# Altium PCB DCAC_V2b.PcbDoc (part 3 of 7) (continued)
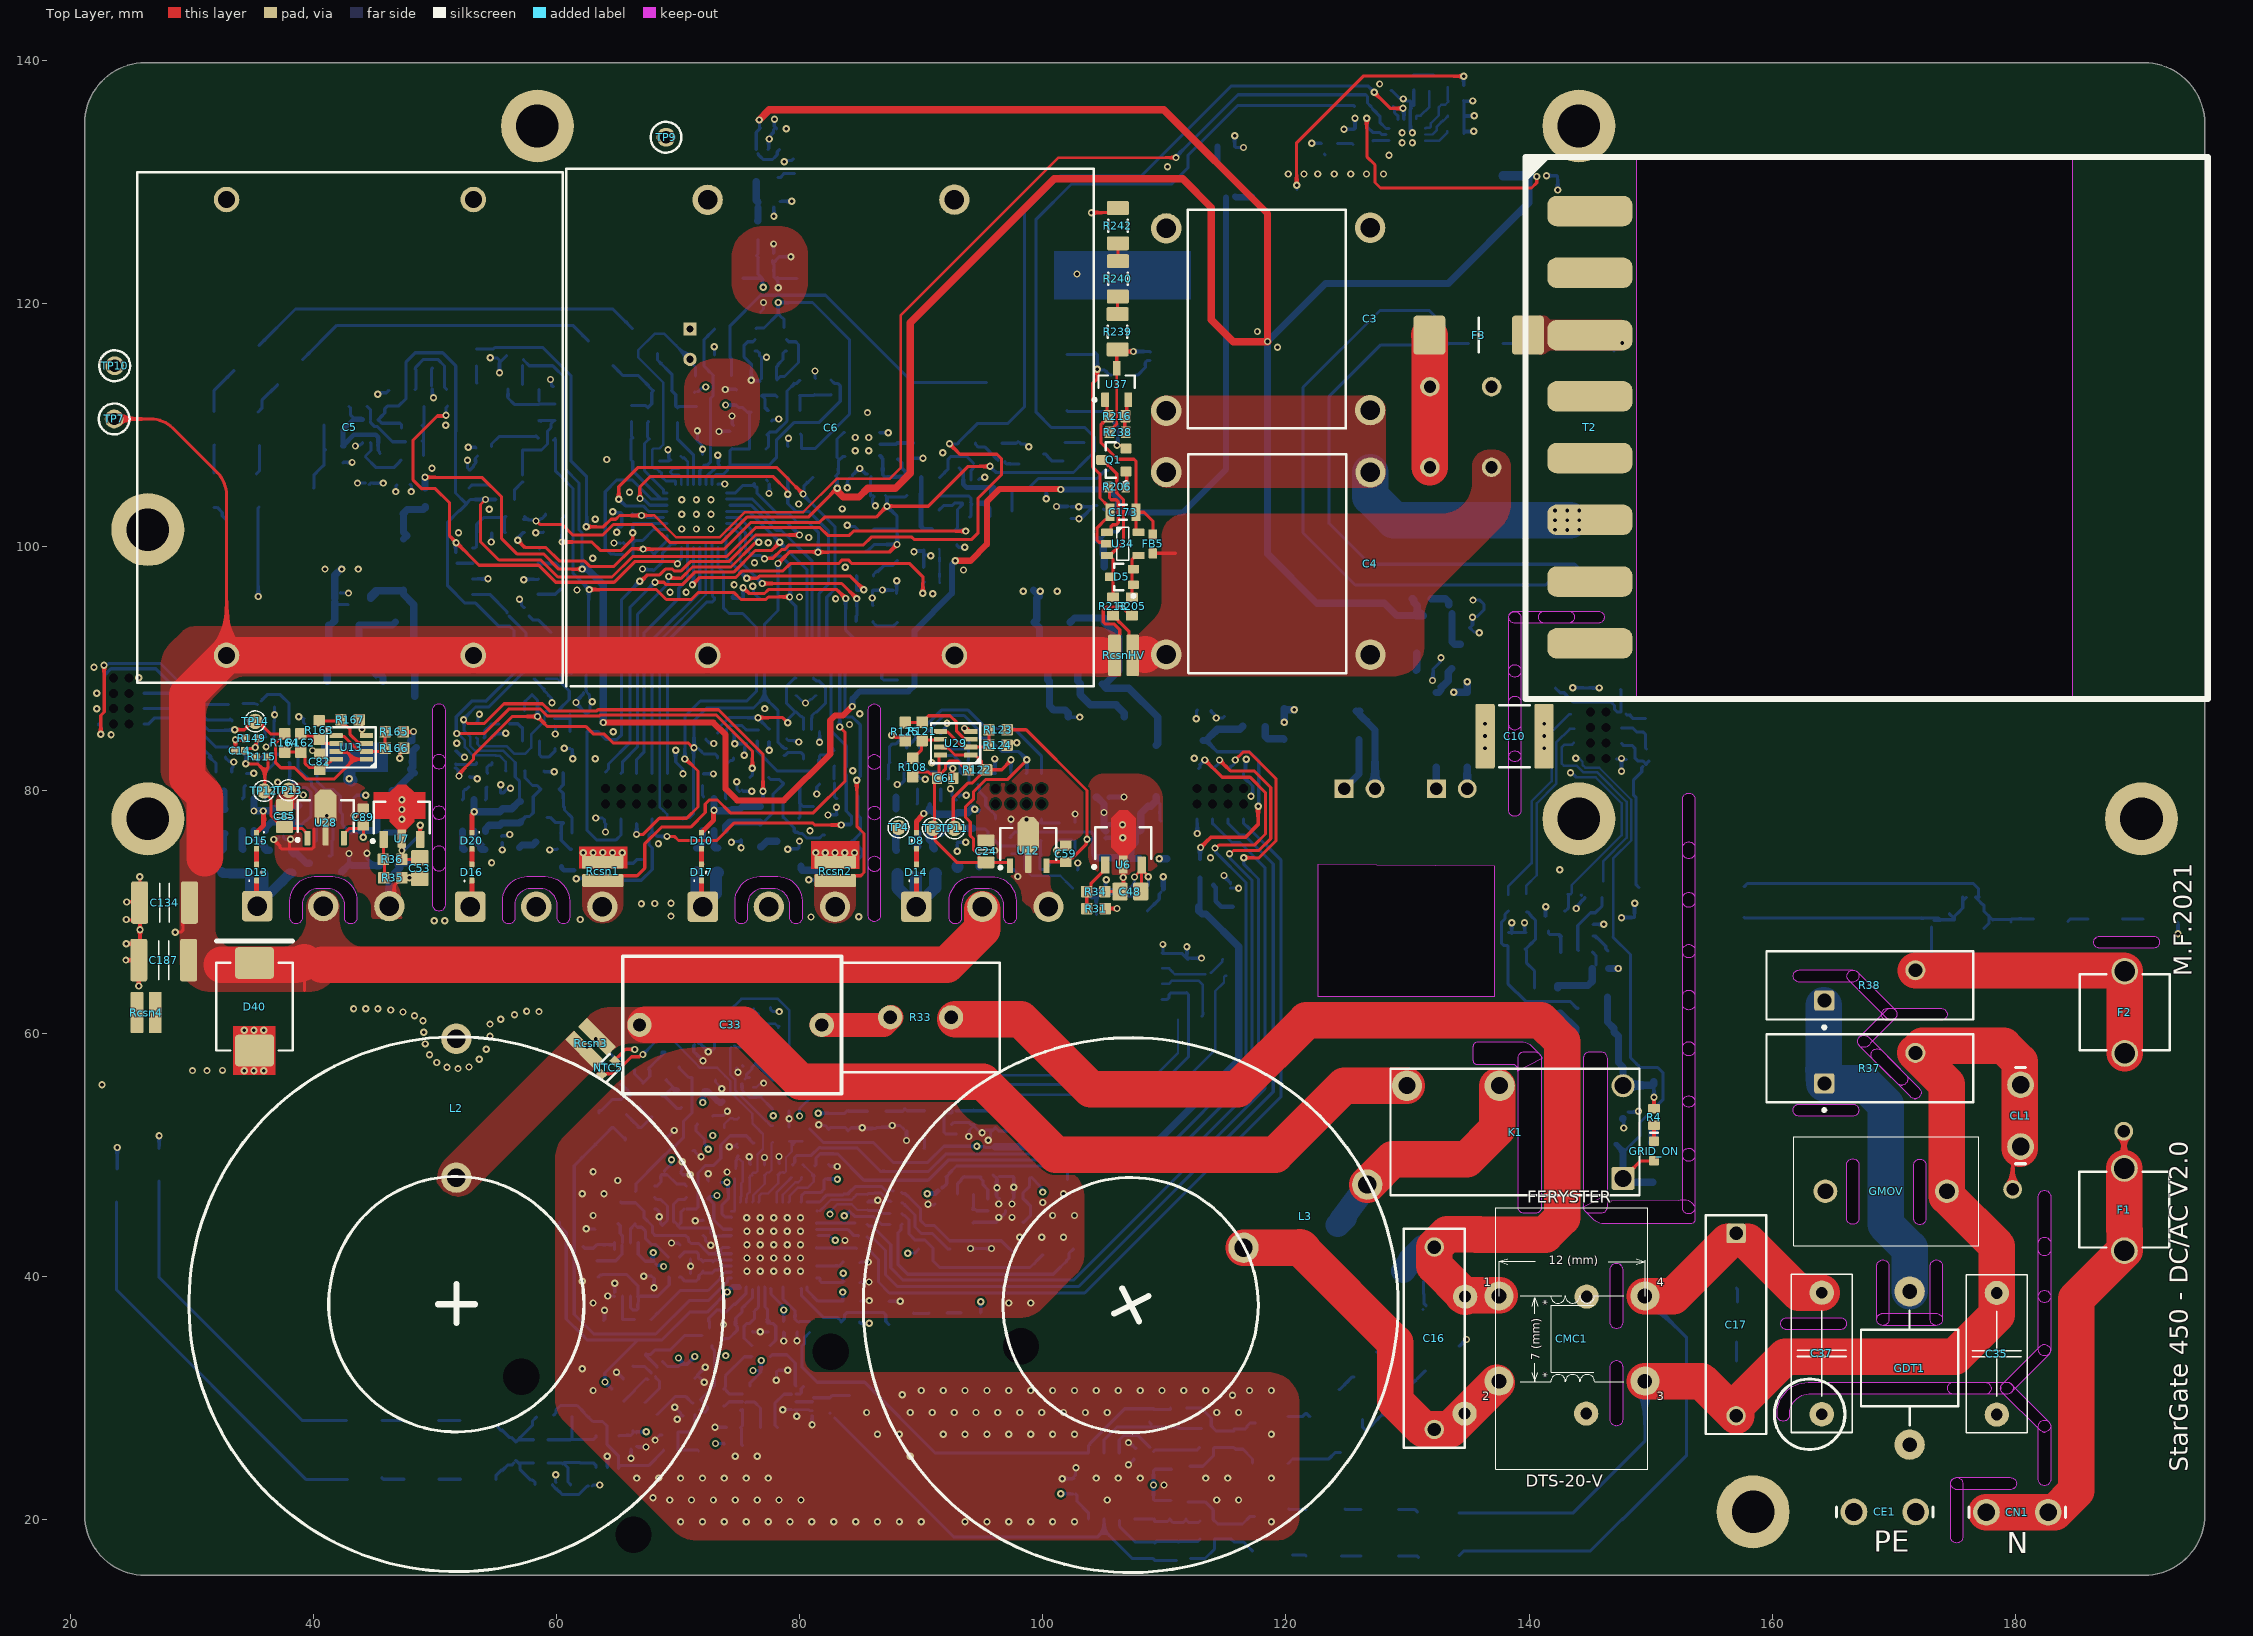
[diagram p0: Top Layer view]
## Part data (continued)
R23 R24 R25 R30: library part CMP-2003-04873-1, "0.25W ±1% 2kΩ ±100ppm/℃ 1206 Chip Resistor - Surface Mount ROHS", Case Code (Imperial)=1206, Case Code (Metric)=3216, JLCPCB Part #=C17944, Manufacturer="Vishay Dale", Manufacturer Part Number=CRCW12060000Z0EAHP, Max Operating Temperature=155°C, Max Power Dissipation=500mW, Min Operating Temperature=-55°C, Package Quantity=1, Resistance=0mR, Supplier Part Number 1=541-0.0UBCT-ND, Temperature coefficient=0ppm/°C, Voltage Rating=200V, Case/Package=1206, Category="Chip SMD Resistors", ComponentLink1Description=https://datasheet.ciiva.com/7657/1693067-7657105.pdf?src-supplier=Element14, ComponentLink1URL=https://datasheet.ciiva.com/7657/1693067-7657105.pdf?src-supplier=Element14, ComponentLink2Description=https://datasheet.ciiva.com/2480/crcwhpe3-2480071.pdf?src-supplier=Digi-Key, ComponentLink2URL=https://datasheet.ciiva.com/2480/crcwhpe3-2480071.pdf?src-supplier=Digi-Key, ComponentLink3Description=https://datasheet.ciiva.com/2480/crcwhpe3-2480072.pdf?src-supplier=Digi-Key, ComponentLink3URL=https://datasheet.ciiva.com/2480/crcwhpe3-2480072.pdf?src-supplier=Digi-Key, ComponentLink4Description=https://datasheet.ciiva.com/5550/crcwhpe3-46056-5550920.pdf?src-supplier=Mouser, ComponentLink4URL=https://datasheet.ciiva.com/5550/crcwhpe3-46056-5550920.pdf?src-supplier=Mouser, ComponentLink5Description=https://datasheet.ciiva.com/2480/crcwhpe3-2480073.pdf?src-supplier=Digi-Key, ComponentLink5URL=https://datasheet.ciiva.com/2480/crcwhpe3-2480073.pdf?src-supplier=Digi-Key, ComponentLink6Description=https://datasheet.ciiva.com/7694/1750852-7694953.pdf?src-supplier=Element14, ComponentLink6URL=https://datasheet.ciiva.com/7694/1750852-7694953.pdf?src-supplier=Element14, ComponentLink7Description=https://datasheet.ciiva.com/9109/crcwhpe3-9109979.pdf?src-supplier=Avnet, ComponentLink7URL=https://datasheet.ciiva.com/9109/crcwhpe3-9109979.pdf?src-supplier=Avnet, ComponentLink8Description=https://datasheet.ciiva.com/28621/1912814-28621467.pdf?src-supplier=Element14, ComponentLink8URL=https://datasheet.ciiva.com/28621/1912814-28621467.pdf?src-supplier=Element14, Composition="Thick Film", Contact Plating=Tin, Depth=1.6mm, Features="Automotive AEC-Q200", Height=0.5mm, Lead Free="Lead Free", Length=3.1mm, Military Standard=Not, Mount="Surface Mount", Number of Terminations=2, Packaging="Tape and Reel", Part Number=CRCW12060000Z0EAHP, Power Rating=500mW, Pricing 1="1=0.38000, 10=0.27500, 25=0.20320, 50=0.15000, 100=0.11010, 250=0.09092, 500=0.07496, 1000=0.05423 (USD)", Radiation Hardening=No, REACH SVHC="No SVHC", RoHS=Yes, Stock 1=300063, Supplier 1=Digi-Key, Termination=SMD/SMT, Voltage Rating (DC)=200V, Weight=0.000353oz, Width=0.063inch
R28 R29 R39: library part CMP-2003-00836-1, Case Code (Imperial)=1206, Case Code (Metric)=3216, Manufacturer=Panasonic, Manufacturer Part Number=ERJ-8ENF3303V, Max Operating Temperature=155°C, Max Power Dissipation=250mW, Min Operating Temperature=-55°C, Package Quantity=5000, Part Number=ERJ8ENF3303V, Resistance=330kR, Resistance Tolerance=1%, Resistor Type="Thick Film", Supplier Part Number 1=P330KFCT-ND, Temperature coefficient=100ppm/°C, Voltage Rating=200V, Case/Package=1206, Category="Chip SMD Resistors", ComponentLink1Description=https://datasheet.ciiva.com/22673/1678782-22673302.pdf?src-supplier=Element14, ComponentLink1URL=https://datasheet.ciiva.com/22673/1678782-22673302.pdf?src-supplier=Element14, ComponentLink2Description=https://datasheet.ciiva.com/16784/70260748-16784168.pdf?src-supplier=Allied+Electronics, ComponentLink2URL=https://datasheet.ciiva.com/16784/70260748-16784168.pdf?src-supplier=Allied+Electronics, ComponentLink3Description=https://datasheet.ciiva.com/17206/aoa0000ce2-17206269.pdf?src-supplier=Avnet+Europe, ComponentLink3URL=https://datasheet.ciiva.com/17206/aoa0000ce2-17206269.pdf?src-supplier=Avnet+Europe, ComponentLink4Description=https://datasheet.ciiva.com/5915/426256-5915358.pdf?src-supplier=Farnell, ComponentLink4URL=https://datasheet.ciiva.com/5915/426256-5915358.pdf?src-supplier=Farnell, Construction=Rectangular, Contact Plating=Tin, Depth=1.6mm, Height=0.6mm, Length=3.2mm, Military Standard=Not, Mount="Surface Mount", Number of Pins=2, Number of Terminations=2, Packaging="Tape and Reel", Power Rating=250mW, Pricing 1="1=0.10000, 10=0.09300, 100=0.03560, 1000=0.01569, 2500=0.01355 (USD)", Radiation Hardening=No, REACH SVHC="No SVHC", RoHS=Yes, RoHS Compliant=Yes, Series=ERJ, Stock 1=4299, Supplier 1=Digi-Key, Technology="THICK FILM", Termination=SMD/SMT, Tolerance=1%, Width=1.6mm
R31 R35 R67 R79 R121 R163: library part RES-2, "±1% 2kΩ ±100ppm/℃ 0.1W 0603 Chip Resistor - Surface Mount ROHS", Case Code (Imperial)=0603, Case Code (Metric)=1608, JLCPCB Part #=C22975, Manufacturer=Panasonic, Max Operating Temperature=155degC, Max Power Dissipation=100mW, Min Operating Temperature=-55degC, Package Description="2-Pin Surface Mount Device, Body 1.6 x 0.85 mm", Package Quantity=1, Package Reference=603, Resistance=10KOhm, Temperature coefficient=100ppm\/degreesC, Tolerance=1%, Voltage Rating=75V, Case\/Package=0603, Composition=ThickFilm, Contact Plating=Tin, Datasheet URL=https://industrial.panasonic.com/cdbs/www-data/pdf/RDA0000/AOA0000C304.pdf, Datasheet Version=02/2017, Depth=0.8mm, Height=0.45mm, Lead Free=LeadFree, Length=1.6mm, Manufacturer URL=http://www.panasonic.com/, Military Standard=Not, Mount=SurfaceMount, Mounting Technology=SurfaceMount, Number of Pins=2, Number of Terminations=2, Packaging=TapeandReel, Power Rating=100mW, Radiation Hardening=No, REACH SVHC=NoSVHC, RoHSCompliant=true, Termination=SMD/SMT, Voltage Rating (DC)=75V, Width=0.031inch
R33: library part SBCHE4100RJ, "Resistor", Manufacturer_Name="TE Connectivity", Mouser Part Number=N/A, Datasheet Link=https://www.mouser.com/datasheet/2/418/NG_DS_1773278_F-724916.pdf, Height=20mm, Manufacturer_Part_Number=SBCHE4100RJ, Mouser Price/Stock=https://www.mouser.com/Search/Refine.aspx?Keyword=N%2FA
R34 R36 R70 R74 R76 R87 R143 R150 R175 R223: library part CMP-2000-07452-1, "±1% ±100ppm/℃ 10kΩ 0.1W 0603 Chip Resistor - Surface Mount ROHS", Case Code (Imperial)=0603, Case Code (Metric)=1608, JLCPCB Part #=C25804, Manufacturer=Panasonic, Max Operating Temperature=155degC, Max Power Dissipation=100mW, Min Operating Temperature=-55degC, Package Description="2-Pin Surface Mount Device, Body 1.6 x 0.85 mm", Package Quantity=1, Package Reference=603, Resistance=10KOhm, Temperature coefficient=100ppm\/degreesC, Tolerance=1%, Voltage Rating=75V, Case\/Package=0603, Composition=ThickFilm, Contact Plating=Tin, Datasheet URL=https://industrial.panasonic.com/cdbs/www-data/pdf/RDA0000/AOA0000C304.pdf, Datasheet Version=02/2017, Depth=0.8mm, Height=0.45mm, Lead Free=LeadFree, Length=1.6mm, Manufacturer URL=http://www.panasonic.com/, Military Standard=Not, Mount=SurfaceMount, Mounting Technology=SurfaceMount, Number of Pins=2, Number of Terminations=2, Packaging=TapeandReel, Power Rating=100mW, Radiation Hardening=No, REACH SVHC=NoSVHC, RoHSCompliant=true, Termination=SMD/SMT, Voltage Rating (DC)=75V, Width=0.031inch
R37 R38: library part CMP-2000-07379-1, "Metal-Oxide Varistor, 275 VAC, 450 pF, -55 to 85 degC, 2-Pin THD, RoHS, Tape and Reel", Capacitance=450pF, Clamping Voltage-Max=710V, Manufacturer=Littelfuse, Package Description="4-Pin Through Hole Device, Body 17 x 5.6 mm, Pitch 7.5 mm", Peak Output Current=4500A, Rated Voltage=369V, RMS Voltage-Max=275V, Datasheet URL=http://www.littelfuse.com/~/media/electronics/datasheets/varistors/littelfuse_varistor_la_datasheet.pdf.pdf, Datasheet Version=11/2015, Manufacturer URL=http://www.littelfuse.com/, Mounting Technology=ThroughHole, Package Reference=V275LA20AP
R40 R44 R89 R102 R126 R192 R194 R197: library part CMP-2000-00123-1, Case Code (Imperial)=0603, Case Code (Metric)=1608, Manufacturer=Panasonic, Manufacturer Part Number=ERA-3AEB752V, Max Operating Temperature=155°C, Max Power Dissipation=100mW, Min Operating Temperature=-55°C, Package Quantity=5000, Part Number=ERA3AEB752V, Resistance=7.5kR, Resistance Tolerance=0.1%, Resistor Type="Thin Film", Supplier Part Number 1=39P9989, Temperature coefficient=25ppm/°C, Voltage Rating=75V, Case/Package=0603, Category="Chip SMD Resistors", ComponentLink1Description=https://datasheet.ciiva.com/29183/451204-da-01-en-widerstand-0603-era-29183801.pdf?src-supplier=Conrad, ComponentLink1URL=https://datasheet.ciiva.com/29183/451204-da-01-en-widerstand-0603-era-29183801.pdf?src-supplier=Conrad, ComponentLink2Description=https://datasheet.ciiva.com/5867/485442-5867989.pdf?src-supplier=Farnell, ComponentLink2URL=https://datasheet.ciiva.com/5867/485442-5867989.pdf?src-supplier=Farnell, ComponentLink3Description=https://datasheet.ciiva.com/30091/54aoa0000ce26-30091989.pdf?src-supplier=Onlinecomponents.com, ComponentLink3URL=https://datasheet.ciiva.com/30091/54aoa0000ce26-30091989.pdf?src-supplier=Onlinecomponents.com, ComponentLink4Description=https://datasheet.ciiva.com/46449/485442-46449462.pdf?src-supplier=Element14, ComponentLink4URL=https://datasheet.ciiva.com/46449/485442-46449462.pdf?src-supplier=Element14, ComponentLink5Description=https://datasheet.ciiva.com/16774/70068849-16774823.pdf?src-supplier=Allied+Electronics, ComponentLink5URL=https://datasheet.ciiva.com/16774/70068849-16774823.pdf?src-supplier=Allied+Electronics, ComponentLink6Description=https://datasheet.ciiva.com/5867/485442-5867992.pdf?src-supplier=Farnell, ComponentLink6URL=https://datasheet.ciiva.com/5867/485442-5867992.pdf?src-supplier=Farnell, ComponentLink7Description=https://datasheet.ciiva.com/16774/70068849-16774360.pdf?src-supplier=Allied+Electronics, ComponentLink7URL=https://datasheet.ciiva.com/16774/70068849-16774360.pdf?src-supplier=Allied+Electronics, ComponentLink8Description=https://datasheet.ciiva.com/46387/485442-46387291.pdf?src-supplier=Element14, ComponentLink8URL=https://datasheet.ciiva.com/46387/485442-46387291.pdf?src-supplier=Element14, ComponentLink9Description=https://datasheet.ciiva.com/9194/aoa0000ce26-9194812.pdf?src-supplier=Avnet, ComponentLink9URL=https://datasheet.ciiva.com/9194/aoa0000ce26-9194812.pdf?src-supplier=Avnet, ComponentLink10Description=https://datasheet.ciiva.com/46387/485442-46387292.pdf?src-supplier=Element14, ComponentLink10URL=https://datasheet.ciiva.com/46387/485442-46387292.pdf?src-supplier=Element14, ComponentLink11Description=https://datasheet.ciiva.com/17212/aoa0000ce26-17212461.pdf?src-supplier=Avnet+Europe, ComponentLink11URL=https://datasheet.ciiva.com/17212/aoa0000ce26-17212461.pdf?src-supplier=Avnet+Europe, ComponentLink12Description=https://datasheet.ciiva.com/22740/485442-22740941.pdf?src-supplier=Element14, ComponentLink12URL=https://datasheet.ciiva.com/22740/485442-22740941.pdf?src-supplier=Element14, ComponentLink13Description=https://datasheet.ciiva.com/16395/aoa0000ce26-16395263.pdf?src-supplier=Future+Electronics, ComponentLink13URL=https://datasheet.ciiva.com/16395/aoa0000ce26-16395263.pdf?src-supplier=Future+Electronics, Construction=Rectangular, Contact Plating=Tin, Depth=0.8mm, Height=0.45mm, Lead Free="Lead Free", Length=1.6mm, Military Standard=Not, Mount="Surface Mount", Number of Pins=2, Number of Terminations=2, Packaging="Tape and Reel", Power Rating=100mW, Pricing 1="1=0.35700, 25=0.30700, 50=0.21600, 100=0.12400, 250=0.10000, 500=0.07500, 1000=0.05100 (USD)", Radiation Hardening=No, REACH SVHC="No SVHC", RoHS=Yes, RoHS Compliant=Yes, Series=ERA-3A, Size Code=0603, Stock 1=4505, Supplier 1=Newark, Technology="THIN FILM", Termination=SMD/SMT, Tolerance=0.1%, Voltage Rating (DC)=75V, Width=0.8mm
R41 R69 R78 R224: library part RES, "470Ω ±1% ±100ppm/℃ 0.1W 0603 Chip Resistor - Surface Mount ROHS", Case Code (Imperial)=0603, Case Code (Metric)=1608, JLCPCB Part #=C23179, Manufacturer=Panasonic, Manufacturer Part Number=ERJ3EKF1001V, Max Operating Temperature=155°C, Max Power Dissipation=100mW, Min Operating Temperature=-55°C, Package Quantity=5000, Part Number=ERJ-3EKF1001V, Resistance=1kR, Resistance Tolerance=1%, Resistor Type="Thick Film", Supplier Part Number 1=3028514, Temperature coefficient=100ppm/°C, Voltage Rating=75V, Case/Package=0603, Category="Chip SMD Resistors", ComponentLink1Description=https://datasheet.ciiva.com/16768/70260748-16768437.pdf?src-supplier=Allied+Electronics, ComponentLink1URL=https://datasheet.ciiva.com/16768/70260748-16768437.pdf?src-supplier=Allied+Electronics, ComponentLink2Description=https://datasheet.ciiva.com/16774/70260748-16774550.pdf?src-supplier=Allied+Electronics, ComponentLink2URL=https://datasheet.ciiva.com/16774/70260748-16774550.pdf?src-supplier=Allied+Electronics, ComponentLink3Description=https://datasheet.ciiva.com/16449/aoa0000ce2-16449065.pdf?src-supplier=Future+Electronics, ComponentLink3URL=https://datasheet.ciiva.com/16449/aoa0000ce2-16449065.pdf?src-supplier=Future+Electronics, ComponentLink4Description=https://datasheet.ciiva.com/7942/aoa0000ce2-7942427.pdf?src-supplier=Element14, ComponentLink4URL=https://datasheet.ciiva.com/7942/aoa0000ce2-7942427.pdf?src-supplier=Element14, ComponentLink5Description=https://datasheet.ciiva.com/9198/aoa0000ce2-9198923.pdf?src-supplier=Avnet, ComponentLink5URL=https://datasheet.ciiva.com/9198/aoa0000ce2-9198923.pdf?src-supplier=Avnet, ComponentLink6Description=https://datasheet.ciiva.com/46373/1678782-46373339.pdf?src-supplier=Element14, ComponentLink6URL=https://datasheet.ciiva.com/46373/1678782-46373339.pdf?src-supplier=Element14, ComponentLink7Description=https://datasheet.ciiva.com/48530/aoa0000ce2-48530987.pdf?src-supplier=Avnet, ComponentLink7URL=https://datasheet.ciiva.com/48530/aoa0000ce2-48530987.pdf?src-supplier=Avnet, ComponentLink8Description=https://datasheet.ciiva.com/46373/1678782-46373340.pdf?src-supplier=Element14, ComponentLink8URL=https://datasheet.ciiva.com/46373/1678782-46373340.pdf?src-supplier=Element14, ComponentLink9Description=https://datasheet.ciiva.com/24070/aoa0000ce2-24070269.pdf?src-supplier=Mouser, ComponentLink9URL=https://datasheet.ciiva.com/24070/aoa0000ce2-24070269.pdf?src-supplier=Mouser, ComponentLink10Description=https://datasheet.ciiva.com/22673/1678782-22673918.pdf?src-supplier=Element14, ComponentLink10URL=https://datasheet.ciiva.com/22673/1678782-22673918.pdf?src-supplier=Element14, ComponentLink11Description=https://datasheet.ciiva.com/30063/aoa0000ce2-30063390.pdf?src-supplier=Onlinecomponents.com, ComponentLink11URL=https://datasheet.ciiva.com/30063/aoa0000ce2-30063390.pdf?src-supplier=Onlinecomponents.com, ComponentLink12Description=https://datasheet.ciiva.com/17215/aoa0000ce2-17215311.pdf?src-supplier=Avnet+Europe, ComponentLink12URL=https://datasheet.ciiva.com/17215/aoa0000ce2-17215311.pdf?src-supplier=Avnet+Europe, Construction=Rectangular, Contact Plating=Tin, Depth=0.8mm, Features="Automotive AEC-Q200", Height=0.45mm, Lead Free="Lead Free", Length=1.6mm, Military Standard=Not, Mount="Surface Mount", Number of Pins=2, Number of Terminations=2, Packaging="Tape and Reel", Power Rating=100mW, Pricing 1="5000=0.01860, 10000=0.01510, 15000=0.01500, 20000=0.01490 (USD)", Radiation Hardening=No, REACH SVHC="No SVHC", RoHS=Yes, RoHS Compliant=Yes, Series=ERJ, Size Code=0603, Stock 1=430000, Supplier 1="Future Electronics", Technology="THICK FILM", Termination=SMD/SMT, Tolerance=1%, Voltage Rating (DC)=75V, Width=0.8mm
R42 R62 R65 R82 R86 R157 R158 R186 R187 R220 R221 R226 R230 R231 R236 R237: library part CMP-2000-00182-1, "±1% 100kΩ ±100ppm/℃ 0.1W 0603 Chip Resistor - Surface Mount ROHS", Case Code (Imperial)=0603, Case Code (Metric)=1608, JLCPCB Part #=C25803, Manufacturer=Panasonic, Manufacturer Part Number=ERJ3EKF1003V, Max Operating Temperature=155°C, Max Power Dissipation=100mW, Min Operating Temperature=-55°C, Package Quantity=5000, Part Number=ERJ-3EKF1003V, Resistance=100kR, Resistance Tolerance=1%, Resistor Type="Thick Film", Supplier Part Number 1=P100KHCT-ND, Temperature coefficient=100ppm/°C, Voltage Rating=75V, Case/Package=0603, Category="Chip SMD Resistors", ComponentLink1Description=https://datasheet.ciiva.com/34303/1987476-34303566.pdf?src-supplier=Jameco, ComponentLink1URL=https://datasheet.ciiva.com/34303/1987476-34303566.pdf?src-supplier=Jameco, ComponentLink2Description=https://datasheet.ciiva.com/30133/aoa0000ce2-30133845.pdf?src-supplier=Onlinecomponents.com, ComponentLink2URL=https://datasheet.ciiva.com/30133/aoa0000ce2-30133845.pdf?src-supplier=Onlinecomponents.com, ComponentLink3Description=https://datasheet.ciiva.com/15158/getdatasheetpartid-247527-15158907.pdf?src-supplier=Verical, ComponentLink3URL=https://datasheet.ciiva.com/15158/getdatasheetpartid-247527-15158907.pdf?src-supplier=Verical, ComponentLink4Description=https://datasheet.ciiva.com/16770/70260748-16770253.pdf?src-supplier=Allied+Electronics, ComponentLink4URL=https://datasheet.ciiva.com/16770/70260748-16770253.pdf?src-supplier=Allied+Electronics, ComponentLink5Description=https://datasheet.ciiva.com/16740/aoa0000ce2-16740662.pdf?src-supplier=Future+Electronics, ComponentLink5URL=https://datasheet.ciiva.com/16740/aoa0000ce2-16740662.pdf?src-supplier=Future+Electronics, Composition="Thick Film", Construction=Rectangular, Contact Plating=Tin, Depth=0.8mm, Features="Automotive AEC-Q200", Height=0.022inch, Lead Free="Lead Free", Length=1.6mm, Military Standard=Not, Mount="Surface Mount", Number of Pins=2, Number of Terminations=2, Packaging="Tape and Reel", Power Rating=100mW, Pricing 1="1=0.10000, 10=0.05700, 100=0.02340, 1000=0.01049, 2500=0.00911 (USD)", Pricing 2="5000=0.02500, 10000=0.02400, 20000=0.01800 (USD)", Radiation Hardening=No, REACH SVHC="No SVHC", RoHS=Yes, RoHS Compliant=Yes, Series=ERJ, Size Code=0603, Stock 1=2532776, Stock 2=3015148, Supplier 1=Digi-Key, Supplier 2=Newark, Supplier Part Number 2=85Y8503, Termination=SMD/SMT, Tolerance=1%, Voltage Rating (DC)=75V, Weight=7.1E-05oz, Width=0.8mm
R43 R48 R50 R114: library part RES-2, "±1% 330Ω ±100ppm/℃ 0.1W 0603 Chip Resistor - Surface Mount ROHS", Capacitance="47 uF", Case Code (Imperial)=2917, Case Code (Metric)=7343, JLCPCB Part #=C23138, Manufacturer=Yageo, Manufacturer Part Number=RC0603FR-07330RL, Max Operating Temperature=125degC, Max Power Dissipation=100mW, Min Operating Temperature=-55degC, Package Quantity=500, Supplier Part Number 1=311-330HRCT-ND, Temperature coefficient=100ppm/°C, Tolerance=10%, Voltage Rating="16 V", Case/Package=2917, Category="Chip SMD Resistors", ComponentLink1Description="Manufacturer URL", ComponentLink1URL=http://www.yageo.com/, ComponentLink2Description=Datasheet, ComponentLink2URL=http://www.yageo.com/documents/recent/PYu-RC_Group_51_RoHS_L_04.pdf, ComponentLink3Description=https://datasheet.ciiva.com/11819/0900766b80f96399-11819327.pdf?src-supplier=RSComponents, ComponentLink3URL=https://datasheet.ciiva.com/11819/0900766b80f96399-11819327.pdf?src-supplier=RSComponents, ComponentLink4Description=https://datasheet.ciiva.com/2454/pyu-r-int-thick-7-2454864.pdf?src-supplier=Digi-Key, ComponentLink4URL=https://datasheet.ciiva.com/2454/pyu-r-int-thick-7-2454864.pdf?src-supplier=Digi-Key, ComponentLink5Description=https://datasheet.ciiva.com/2454/pyu-r-int-thick-7-2454865.pdf?src-supplier=Digi-Key, ComponentLink5URL=https://datasheet.ciiva.com/2454/pyu-r-int-thick-7-2454865.pdf?src-supplier=Digi-Key, ComponentLink6Description=https://datasheet.ciiva.com/2454/pyu-r-int-thick-7-2454866.pdf?src-supplier=Digi-Key, ComponentLink6URL=https://datasheet.ciiva.com/2454/pyu-r-int-thick-7-2454866.pdf?src-supplier=Digi-Key, ComponentLink7Description=https://datasheet.ciiva.com/12555/rc0603-272842-12555334.pdf?src-supplier=Mouser, ComponentLink7URL=https://datasheet.ciiva.com/12555/rc0603-272842-12555334.pdf?src-supplier=Mouser, ComponentLink8Description=https://datasheet.ciiva.com/46440/1868787-46440904.pdf?src-supplier=Element14, ComponentLink8URL=https://datasheet.ciiva.com/46440/1868787-46440904.pdf?src-supplier=Element14, ComponentLink9Description=https://datasheet.ciiva.com/7746/443971-7746329.pdf?src-supplier=Element14, ComponentLink9URL=https://datasheet.ciiva.com/7746/443971-7746329.pdf?src-supplier=Element14, ComponentLink10Description=https://datasheet.ciiva.com/7746/443971-7746330.pdf?src-supplier=Element14, ComponentLink10URL=https://datasheet.ciiva.com/7746/443971-7746330.pdf?src-supplier=Element14, ComponentLink11Description=https://datasheet.ciiva.com/7746/1686128-7746331.pdf?src-supplier=Element14, ComponentLink11URL=https://datasheet.ciiva.com/7746/1686128-7746331.pdf?src-supplier=Element14, Composition="Thick Film", DatasheetVersion="Rev. 4, 02/2016", Depth=0.8mm, ESR="800 mohm", Features="Moisture Resistant", Height="3.1 mm", Lead Free="Lead Free", Length="7.3 mm", Mount="Surface Mount", Number of Pins=2, Number of Terminations=2, PackageDescription="2-Pin Surface Mount Device, Body 1.6 x 0.8 mm", PackageReference=0603, Packaging="Tape and Reel", Pins=2, Power Rating=100mW, Pricing 1="1=0.10000, 10=0.02300, 100=0.00940, 1000=0.00421, 2500=0.00366 (USD)", Radiation Hardening=No, REACH SVHC="No SVHC", Resistance=330R, RoHS=Yes, RoHSCompliant=True, Stock 1=4209654, Supplier 1=Digi-Key, Termination=SMD/SMT, Voltage Rating (DC)="16 V", Width="4.3 mm"
R45 R46 R47 R52 R56 R80 R90 R91 R92 R94 R96 R97 R113 R128 R129 R131 R134 R135 R139 R168 R169 R170 R173 R190 R239 R240 R242: library part CMP-1014-00867-1, "1M5 0.25W 1% 1206 (3216 Metric)  SMD", Case Code (Imperial)=1206, Case Code (Metric)=3216, Manufacturer=Yageo, Manufacturer Part Number=RT1206BRD07422KL, Max Operating Temperature=125°C, Max Power Dissipation=250mW, Min Operating Temperature=-55°C, Package Quantity=5000, Power="0.25 W", Resistance=422kR, Resistor Type="Thin Film", Temperature coefficient=25ppm/°C, Tolerance="1 %", Voltage Rating=200V, Case-EIA=1206, Case-Metric=3216, Case/Package=1206, Category="Chip SMD Resistors", ComponentLink1Description=https://datasheet.ciiva.com/2587/pyu-rt-1-to-0-05-rohs-l-5-2587699.pdf?src-supplier=Digi-Key, ComponentLink1URL=https://datasheet.ciiva.com/2587/pyu-rt-1-to-0-05-rohs-l-5-2587699.pdf?src-supplier=Digi-Key, ComponentLink2Description=https://datasheet.ciiva.com/12702/pyu-rt-1-to-0-05-rohs-l-4-12702650.pdf?src-supplier=Mouser, ComponentLink2URL=https://datasheet.ciiva.com/12702/pyu-rt-1-to-0-05-rohs-l-4-12702650.pdf?src-supplier=Mouser, Height=0.026inch, Lead Free="Lead Free", Length=0.122inch, Number of Terminations=2, Packaging="Tape and Reel", Power Rating=250mW, Pricing 1="5000=0.04959, 10000=0.04889, 20000=0.04749, 30000=0.04644, 40000=0.04470, 50000=0.04365, 500000=0.04260 (USD)", RoHS=Yes, RoHS Compliant=Yes, Series=RT, Supplier 1=Avnet, Supplier Part Number 1=RT1206BRD07422KL, Technology=SMT, Termination=SMD/SMT, Voltage Rating (DC)=200V, Width=0.063inch
R49 R83 R93 R98 R132 R136 R191 R196: library part CMP-2000-00076-1, "Res Thin Film 0603 499 Ohm 0.1% 1/10W ±25ppm/°C Molded SMD SMD Punched Carrier T/R", Case Code (Imperial)=0603, Case Code (Metric)=1608, Manufacturer=Panasonic, Manufacturer Part Number=ERA-3AEB4990V, Max Operating Temperature=155°C, Max Power Dissipation=100mW, Min Operating Temperature=-55°C, Package Quantity=1, Part Number=ERA3AEB4990V, Resistance=499R, Resistance Tolerance=0.1%, Resistor Type="Thin Film,Metal Film", Supplier Part Number 1=P499DBCT-ND, Temperature coefficient=25ppm/°C, Voltage Rating=150V, Voltage Rating (DC)=75V, Case/Package=0603, Category="Chip SMD Resistors", ComponentLink1Description=https://datasheet.ciiva.com/11810/0900766b80eb1d8c-11810911.pdf?src-supplier=RSComponents, ComponentLink1URL=https://datasheet.ciiva.com/11810/0900766b80eb1d8c-11810911.pdf?src-supplier=RSComponents, ComponentLink2Description=https://datasheet.ciiva.com/29183/451973-da-01-en-widerstand-0603-era-29183924.pdf?src-supplier=Conrad, ComponentLink2URL=https://datasheet.ciiva.com/29183/451973-da-01-en-widerstand-0603-era-29183924.pdf?src-supplier=Conrad, ComponentLink3Description=https://datasheet.ciiva.com/9181/aoa0000ce26-9181477.pdf?src-supplier=Avnet, ComponentLink3URL=https://datasheet.ciiva.com/9181/aoa0000ce26-9181477.pdf?src-supplier=Avnet, ComponentLink4Description=https://datasheet.ciiva.com/17205/aoa0000ce26-17205477.pdf?src-supplier=Avnet+Europe, ComponentLink4URL=https://datasheet.ciiva.com/17205/aoa0000ce26-17205477.pdf?src-supplier=Avnet+Europe, ComponentLink5Description=https://datasheet.ciiva.com/30161/54aoa0000ce26-30161593.pdf?src-supplier=Onlinecomponents.com, ComponentLink5URL=https://datasheet.ciiva.com/30161/54aoa0000ce26-30161593.pdf?src-supplier=Onlinecomponents.com, ComponentLink6Description=https://datasheet.ciiva.com/7920/485442-7920378.pdf?src-supplier=Element14, ComponentLink6URL=https://datasheet.ciiva.com/7920/485442-7920378.pdf?src-supplier=Element14, ComponentLink7Description=https://datasheet.ciiva.com/7920/485442-7920379.pdf?src-supplier=Element14, ComponentLink7URL=https://datasheet.ciiva.com/7920/485442-7920379.pdf?src-supplier=Element14, ComponentLink8Description=https://datasheet.ciiva.com/6201/485442-6201036.pdf?src-supplier=Farnell, ComponentLink8URL=https://datasheet.ciiva.com/6201/485442-6201036.pdf?src-supplier=Farnell, Construction=Rectangular, Contact Plating=Tin, Depth=0.8mm, Features="Automotive AEC-Q200", Height=0.45mm, Lead Free="Lead Free", Length=1.6mm, Military Standard=Not, Mount="Surface Mount", Number of Pins=2, Number of Terminations=2, Packaging="Tape and Reel", Power Rating=100mW, Pricing 1="1=0.31000, 10=0.26000, 100=0.10150, 1000=0.04248, 2500=0.03894 (USD)", Radiation Hardening=No, REACH SVHC="No SVHC", RoHS=Yes, RoHS Compliant=Yes, Series=ERA-3A, Stock 1=51561, Supplier 1=Digi-Key, Technology="METAL FILM", Termination=SMD/SMT, Tolerance=0.1%, Width=0.8mm
R58 R77: library part RES, "Resistor, SMD 30 kOhm 0603  ±  0.1 %, ERA3AEB303V, Panasonic Automotive & Industrial Systems", Case Code (Imperial)=0603, Case Code (Metric)=1608, Manufacturer=Panasonic, Manufacturer Part Number=ERA-3AEB303V, Max Operating Temperature=155°C, Max Power Dissipation=100mW, Min Operating Temperature=-55°C, Package Quantity=1, Part Number=ERA3AEB303V, Resistance=30kR, Resistance Tolerance=0.1%, Resistor Type="Thin Film", Temperature coefficient=25ppm/°C, Voltage Rating=75V, Case/Package=0603, Category="Chip SMD Resistors", ComponentLink1Description=https://datasheet.ciiva.com/29183/451408-da-01-en-widerstand-0603-era-29183835.pdf?src-supplier=Conrad, ComponentLink1URL=https://datasheet.ciiva.com/29183/451408-da-01-en-widerstand-0603-era-29183835.pdf?src-supplier=Conrad, ComponentLink2Description=https://datasheet.ciiva.com/5917/485442-5917669.pdf?src-supplier=Farnell, ComponentLink2URL=https://datasheet.ciiva.com/5917/485442-5917669.pdf?src-supplier=Farnell, ComponentLink3Description=https://datasheet.ciiva.com/16212/aoa0000ce26-16212101.pdf?src-supplier=Future+Electronics, ComponentLink3URL=https://datasheet.ciiva.com/16212/aoa0000ce26-16212101.pdf?src-supplier=Future+Electronics, ComponentLink4Description=https://datasheet.ciiva.com/43455/485442-43455381.pdf?src-supplier=Farnell, ComponentLink4URL=https://datasheet.ciiva.com/43455/485442-43455381.pdf?src-supplier=Farnell, ComponentLink5Description=https://datasheet.ciiva.com/30073/54aoa0000ce26-30073910.pdf?src-supplier=Onlinecomponents.com, ComponentLink5URL=https://datasheet.ciiva.com/30073/54aoa0000ce26-30073910.pdf?src-supplier=Onlinecomponents.com, ComponentLink6Description=https://datasheet.ciiva.com/9190/aoa0000ce26-9190919.pdf?src-supplier=Avnet, ComponentLink6URL=https://datasheet.ciiva.com/9190/aoa0000ce26-9190919.pdf?src-supplier=Avnet, ComponentLink7Description=https://datasheet.ciiva.com/16759/70068849-16759447.pdf?src-supplier=Allied+Electronics, ComponentLink7URL=https://datasheet.ciiva.com/16759/70068849-16759447.pdf?src-supplier=Allied+Electronics, ComponentLink8Description=https://datasheet.ciiva.com/17210/aoa0000ce26-17210455.pdf?src-supplier=Avnet+Europe, ComponentLink8URL=https://datasheet.ciiva.com/17210/aoa0000ce26-17210455.pdf?src-supplier=Avnet+Europe, ComponentLink9Description=https://datasheet.ciiva.com/22740/485442-22740936.pdf?src-supplier=Element14, ComponentLink9URL=https://datasheet.ciiva.com/22740/485442-22740936.pdf?src-supplier=Element14, ComponentLink10Description=https://datasheet.ciiva.com/43457/485442-43457880.pdf?src-supplier=Farnell, ComponentLink10URL=https://datasheet.ciiva.com/43457/485442-43457880.pdf?src-supplier=Farnell, ComponentLink11Description=https://datasheet.ciiva.com/48425/era-eng-tds-48425453.pdf?src-supplier=Distrelec, ComponentLink11URL=https://datasheet.ciiva.com/48425/era-eng-tds-48425453.pdf?src-supplier=Distrelec, Construction=Rectangular, Contact Plating=Tin, Depth=0.8mm, Features="Automotive AEC-Q200", Height=0.45mm, Length=1.6mm, Military Standard=Not, Mount="Surface Mount", Number of Pins=2, Number of Terminations=2, Packaging="Tape and Reel", Power Rating=100mW, Pricing 1="1=0.03536, 157=0.03482, 313=0.03427, 625=0.03373, 1250=0.03318, 2500=0.03264, 5000=0.03210 (USD)", Radiation Hardening=No, REACH SVHC="No SVHC", RoHS=Yes, RoHS Compliant=Yes, Series=ERA-3A, Size Code=0603, Stock 1=26, Supplier 1=Avnet, Supplier Part Number 1=ERA-3AEB303V, Technology="THIN FILM", Termination=SMD/SMT, Tolerance=0.1%, Width=0.8mm
R59 R110 R254: library part RES, "±1% 3.9kΩ ±100ppm/℃ 0.1W 0603 Chip Resistor - Surface Mount ROHS", Case Code (Imperial)=0603, Case Code (Metric)=1608, JLCPCB Part #=C23018, Manufacturer=Panasonic, Manufacturer Part Number=ERJ3EKF1001V, Max Operating Temperature=155°C, Max Power Dissipation=100mW, Min Operating Temperature=-55°C, Package Quantity=5000, Part Number=ERJ-3EKF1001V, Resistance=1kR, Resistance Tolerance=1%, Resistor Type="Thick Film", Supplier Part Number 1=3028514, Temperature coefficient=100ppm/°C, Voltage Rating=75V, Case/Package=0603, Category="Chip SMD Resistors", ComponentLink1Description=https://datasheet.ciiva.com/16768/70260748-16768437.pdf?src-supplier=Allied+Electronics, ComponentLink1URL=https://datasheet.ciiva.com/16768/70260748-16768437.pdf?src-supplier=Allied+Electronics, ComponentLink2Description=https://datasheet.ciiva.com/16774/70260748-16774550.pdf?src-supplier=Allied+Electronics, ComponentLink2URL=https://datasheet.ciiva.com/16774/70260748-16774550.pdf?src-supplier=Allied+Electronics, ComponentLink3Description=https://datasheet.ciiva.com/16449/aoa0000ce2-16449065.pdf?src-supplier=Future+Electronics, ComponentLink3URL=https://datasheet.ciiva.com/16449/aoa0000ce2-16449065.pdf?src-supplier=Future+Electronics, ComponentLink4Description=https://datasheet.ciiva.com/7942/aoa0000ce2-7942427.pdf?src-supplier=Element14, ComponentLink4URL=https://datasheet.ciiva.com/7942/aoa0000ce2-7942427.pdf?src-supplier=Element14, ComponentLink5Description=https://datasheet.ciiva.com/9198/aoa0000ce2-9198923.pdf?src-supplier=Avnet, ComponentLink5URL=https://datasheet.ciiva.com/9198/aoa0000ce2-9198923.pdf?src-supplier=Avnet, ComponentLink6Description=https://datasheet.ciiva.com/46373/1678782-46373339.pdf?src-supplier=Element14, ComponentLink6URL=https://datasheet.ciiva.com/46373/1678782-46373339.pdf?src-supplier=Element14, ComponentLink7Description=https://datasheet.ciiva.com/48530/aoa0000ce2-48530987.pdf?src-supplier=Avnet, ComponentLink7URL=https://datasheet.ciiva.com/48530/aoa0000ce2-48530987.pdf?src-supplier=Avnet, ComponentLink8Description=https://datasheet.ciiva.com/46373/1678782-46373340.pdf?src-supplier=Element14, ComponentLink8URL=https://datasheet.ciiva.com/46373/1678782-46373340.pdf?src-supplier=Element14, ComponentLink9Description=https://datasheet.ciiva.com/24070/aoa0000ce2-24070269.pdf?src-supplier=Mouser, ComponentLink9URL=https://datasheet.ciiva.com/24070/aoa0000ce2-24070269.pdf?src-supplier=Mouser, ComponentLink10Description=https://datasheet.ciiva.com/22673/1678782-22673918.pdf?src-supplier=Element14, ComponentLink10URL=https://datasheet.ciiva.com/22673/1678782-22673918.pdf?src-supplier=Element14, ComponentLink11Description=https://datasheet.ciiva.com/30063/aoa0000ce2-30063390.pdf?src-supplier=Onlinecomponents.com, ComponentLink11URL=https://datasheet.ciiva.com/30063/aoa0000ce2-30063390.pdf?src-supplier=Onlinecomponents.com, ComponentLink12Description=https://datasheet.ciiva.com/17215/aoa0000ce2-17215311.pdf?src-supplier=Avnet+Europe, ComponentLink12URL=https://datasheet.ciiva.com/17215/aoa0000ce2-17215311.pdf?src-supplier=Avnet+Europe, Construction=Rectangular, Contact Plating=Tin, Depth=0.8mm, Features="Automotive AEC-Q200", Height=0.45mm, Lead Free="Lead Free", Length=1.6mm, Military Standard=Not, Mount="Surface Mount", Number of Pins=2, Number of Terminations=2, Packaging="Tape and Reel", Power Rating=100mW, Pricing 1="5000=0.01860, 10000=0.01510, 15000=0.01500, 20000=0.01490 (USD)", Radiation Hardening=No, REACH SVHC="No SVHC", RoHS=Yes, RoHS Compliant=Yes, Series=ERJ, Size Code=0603, Stock 1=430000, Supplier 1="Future Electronics", Technology="THICK FILM", Termination=SMD/SMT, Tolerance=1%, Voltage Rating (DC)=75V, Width=0.8mm
R64 R75: library part RES, "Res Thin Film 0603 499 Ohm 0.1% 1/10W ±25ppm/°C Molded SMD SMD Punched Carrier T/R", Case Code (Imperial)=0603, Case Code (Metric)=1608, Manufacturer=Panasonic, Manufacturer Part Number=ERA-3AEB4990V, Max Operating Temperature=155°C, Max Power Dissipation=100mW, Min Operating Temperature=-55°C, Package Quantity=1, Part Number=ERA3AEB4990V, Resistance=499R, Resistance Tolerance=0.1%, Resistor Type="Thin Film,Metal Film", Supplier Part Number 1=P499DBCT-ND, Temperature coefficient=25ppm/°C, Voltage Rating=150V, Voltage Rating (DC)=75V, Case/Package=0603, Category="Chip SMD Resistors", ComponentLink1Description=https://datasheet.ciiva.com/11810/0900766b80eb1d8c-11810911.pdf?src-supplier=RSComponents, ComponentLink1URL=https://datasheet.ciiva.com/11810/0900766b80eb1d8c-11810911.pdf?src-supplier=RSComponents, ComponentLink2Description=https://datasheet.ciiva.com/29183/451973-da-01-en-widerstand-0603-era-29183924.pdf?src-supplier=Conrad, ComponentLink2URL=https://datasheet.ciiva.com/29183/451973-da-01-en-widerstand-0603-era-29183924.pdf?src-supplier=Conrad, ComponentLink3Description=https://datasheet.ciiva.com/9181/aoa0000ce26-9181477.pdf?src-supplier=Avnet, ComponentLink3URL=https://datasheet.ciiva.com/9181/aoa0000ce26-9181477.pdf?src-supplier=Avnet, ComponentLink4Description=https://datasheet.ciiva.com/17205/aoa0000ce26-17205477.pdf?src-supplier=Avnet+Europe, ComponentLink4URL=https://datasheet.ciiva.com/17205/aoa0000ce26-17205477.pdf?src-supplier=Avnet+Europe, ComponentLink5Description=https://datasheet.ciiva.com/30161/54aoa0000ce26-30161593.pdf?src-supplier=Onlinecomponents.com, ComponentLink5URL=https://datasheet.ciiva.com/30161/54aoa0000ce26-30161593.pdf?src-supplier=Onlinecomponents.com, ComponentLink6Description=https://datasheet.ciiva.com/7920/485442-7920378.pdf?src-supplier=Element14, ComponentLink6URL=https://datasheet.ciiva.com/7920/485442-7920378.pdf?src-supplier=Element14, ComponentLink7Description=https://datasheet.ciiva.com/7920/485442-7920379.pdf?src-supplier=Element14, ComponentLink7URL=https://datasheet.ciiva.com/7920/485442-7920379.pdf?src-supplier=Element14, ComponentLink8Description=https://datasheet.ciiva.com/6201/485442-6201036.pdf?src-supplier=Farnell, ComponentLink8URL=https://datasheet.ciiva.com/6201/485442-6201036.pdf?src-supplier=Farnell, Construction=Rectangular, Contact Plating=Tin, Depth=0.8mm, Features="Automotive AEC-Q200", Height=0.45mm, Lead Free="Lead Free", Length=1.6mm, Military Standard=Not, Mount="Surface Mount", Number of Pins=2, Number of Terminations=2, Packaging="Tape and Reel", Power Rating=100mW, Pricing 1="1=0.31000, 10=0.26000, 100=0.10150, 1000=0.04248, 2500=0.03894 (USD)", Radiation Hardening=No, REACH SVHC="No SVHC", RoHS=Yes, RoHS Compliant=Yes, Series=ERA-3A, Stock 1=51561, Supplier 1=Digi-Key, Technology="METAL FILM", Termination=SMD/SMT, Tolerance=0.1%, Width=0.8mm